# Altium PCB Mixed Signal Board Project_final.PcbDoc (part 2 of 3)
Units mil, origin at the board's own origin, x right, y up, seen from the top; angles counter-clockwise.
Board outline 2764.84 x 2841.08 mil, 4 copper layers (Top Layer, GND, VCC, Bottom Layer), stack 61.614 mil thick; 189 components, 143 nets, 740 pads, 441 vias.
Unrouted connection lines stored in the file: 1.
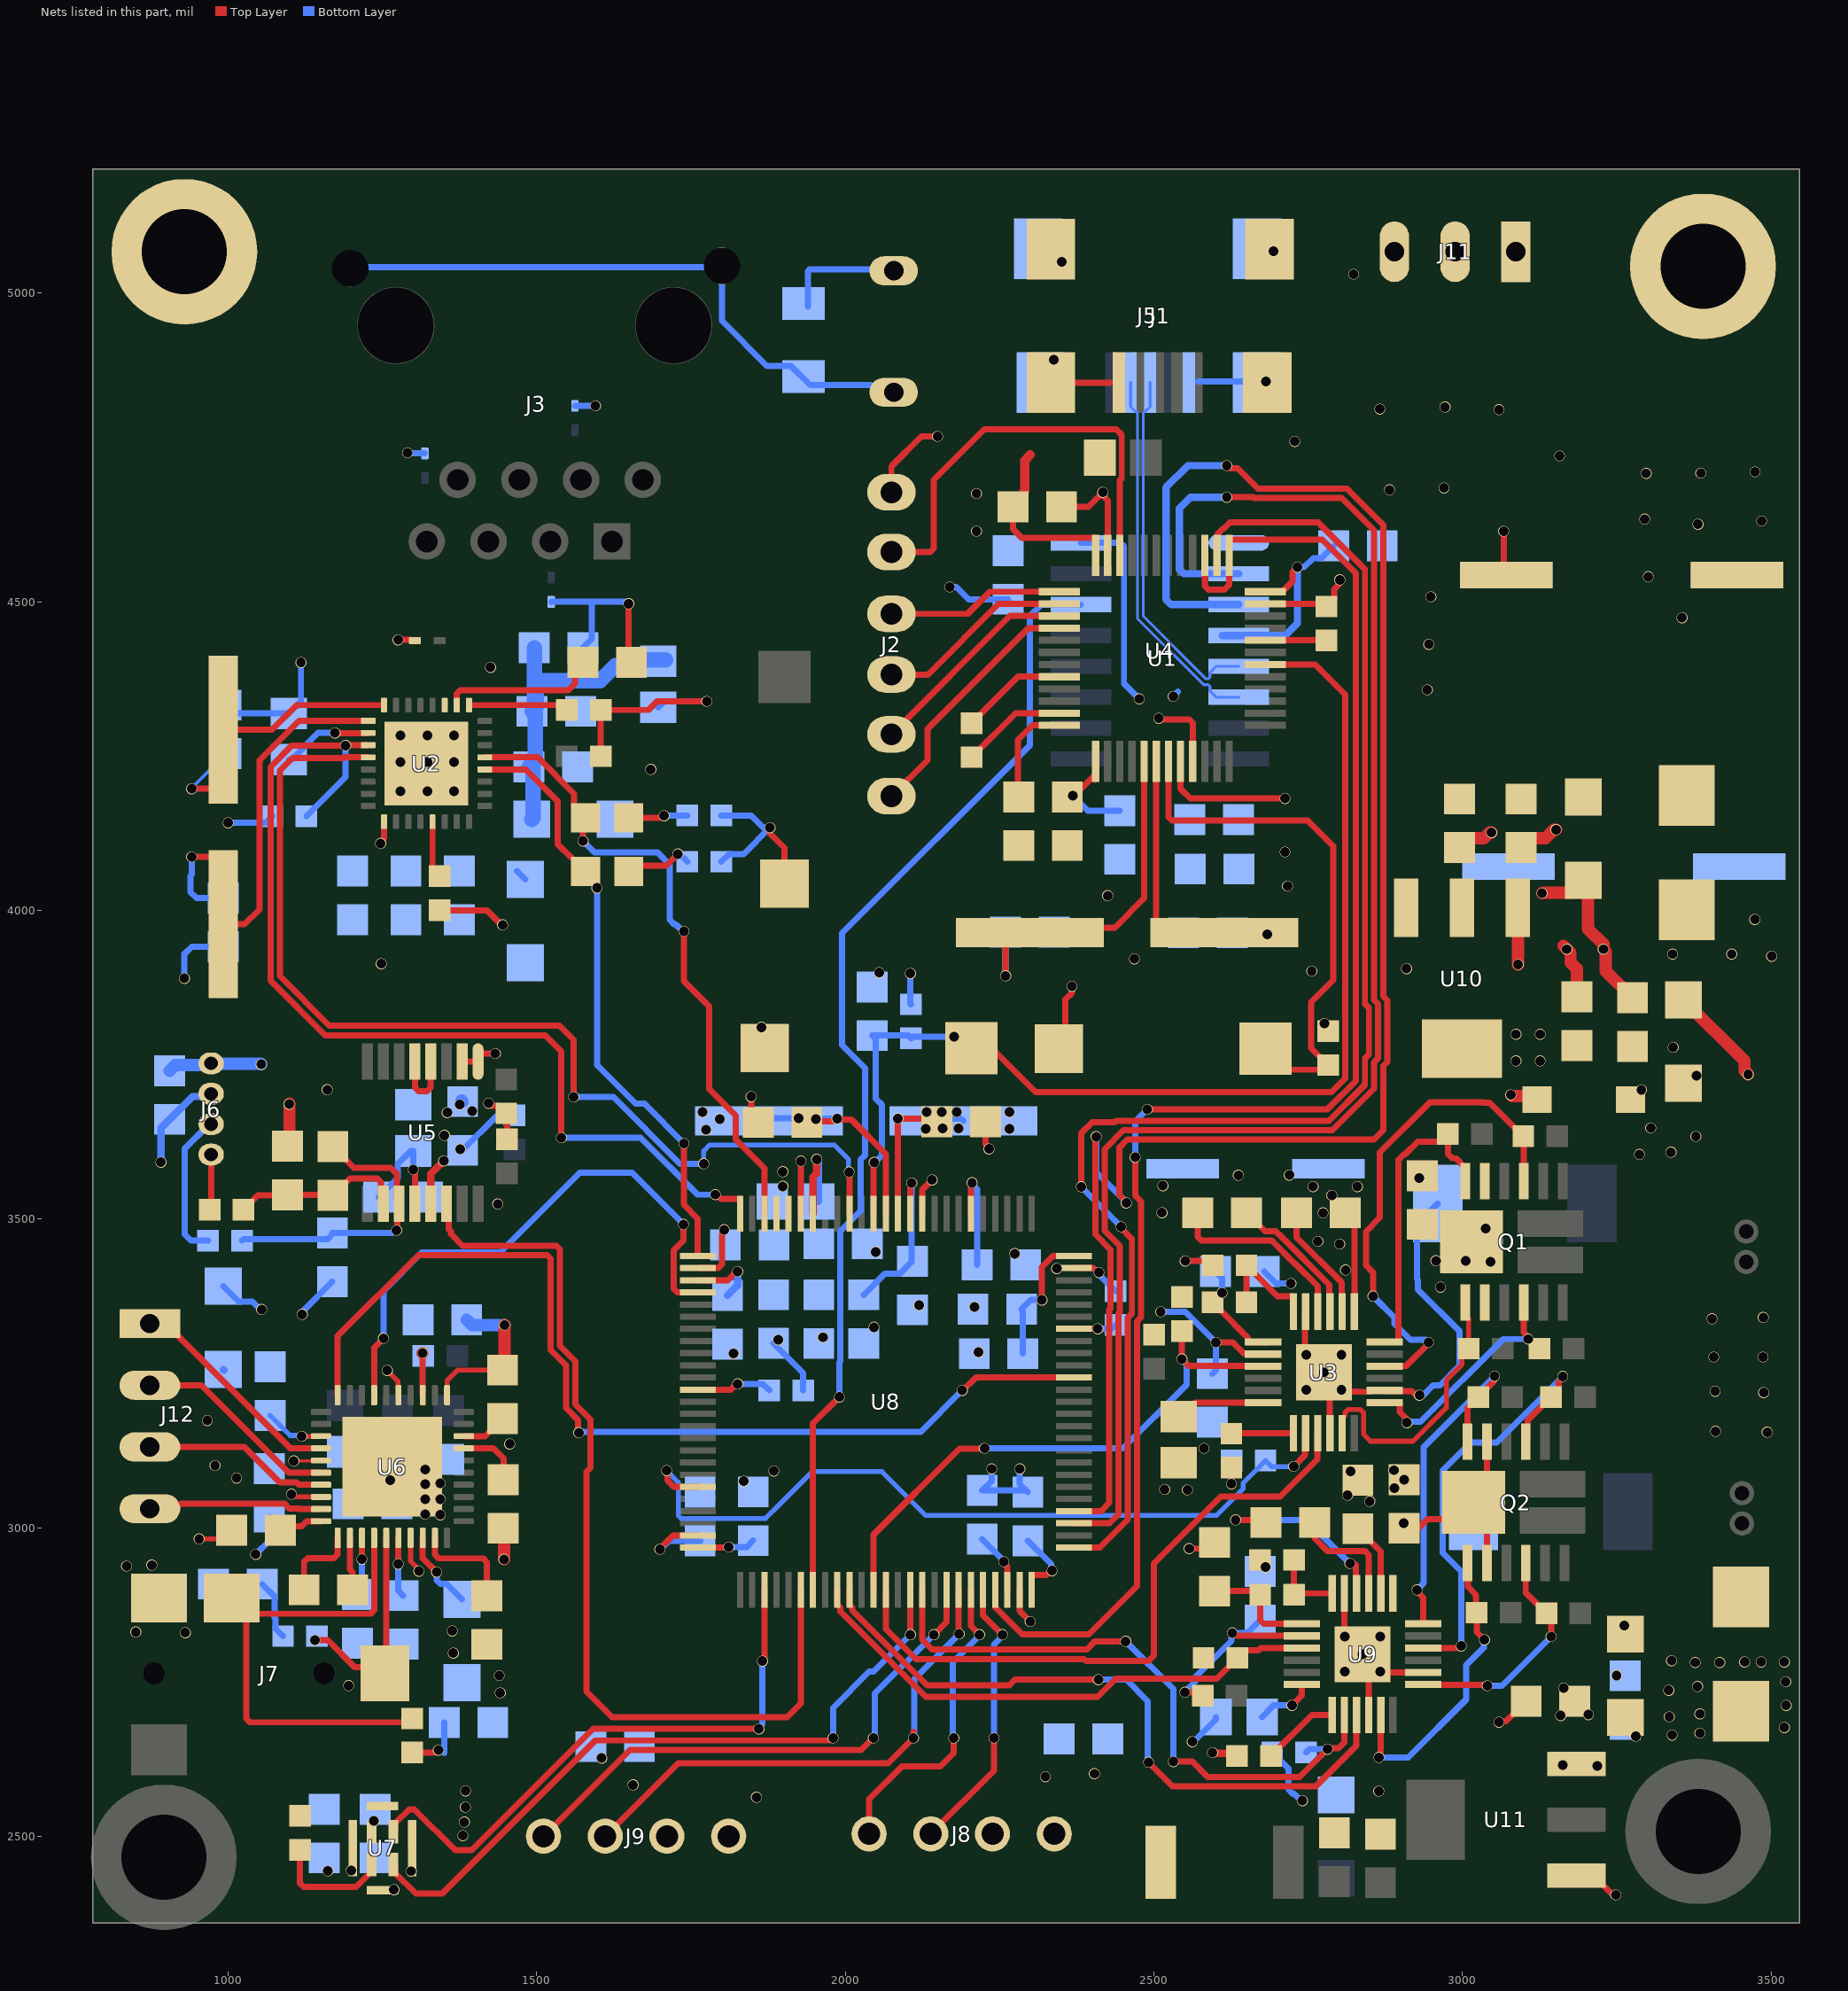
[diagram p4: the nets of this part, all layers, seen from the top]

## Via types
v1: diameter 17.72, hole 15.75, Top Layer to Bottom Layer, 441 vias

## Nets (pads, with @x,y where several pads share a name; then routed paths per layer and width w, separated by ;. In a path a pad name is that pad's centre, name@x,y a point inside that pad or via, vN(x,y) a via of type N, cw(c..) or ccw(c..) an arc to the next point about the centre after c; other vN are vias at no path point) (continued)
+3V3: C1.2 C2.2 C3.2 C4.2 C7.2 C8.2 C9.2 C15.2 C16.2 C17.2 C18.2 C28.2 C30.2 C32.2 C44.1 C45.2 C46.2 C47.2 C48.2 C49.2 C54.2 C55.2 C59.2 C60.2 C61.2 C62.2 C63.2 C64.2 C65.2 C72.2 C82.2 C83.2 C84.2 D6.K FB1.1 FB2.1 FB4.1 J6.3 J8.3 J9.3 R2.2 R3.2 R7.2 R8.2 R9.2 R10.2 R20.1 R25.2 R26.2 R27.2 R30.2 R33.2 R35.2 R44.1 U1.1 U1.9 U1.24 U1.36 U1.48 U2.17 U4.4 U4.16 U5.13 U6.5 U6.8 U6.33 U7.1 U8.6 U8.11 U8.19 U8.28 U8.50 U8.75 U8.100 U10.2 U10.4 | length 3933.5
  Top Layer w3.94: U6.5@1149.77,3109.67 U6.5@1150.65,3108.8 ; U6.8@1150.1,3050.29 U6.8@1150.65,3049.74 ; U6.33@1315.1,3214.82 U6.33@1315.41,3214.51
  Top Layer w5: v1(1106.42,3107.97) 1106.83,3108.38 1148.48,3108.38 U6.5@1149.77,3109.67
  Top Layer w8: v1(1102.75,3054.05) 1105.38,3054.05 1109.69,3049.74 1149.56,3049.74 U6.8@1150.1,3050.29
  Top Layer w10: v1(1247.13,4108.38) 1247.13,4110.47 1252.52,4115.86 U2.17@1252.52,4143.5 ; U6.33@1315.1,3214.82 v1@1315.1,3282.66 ; R8.2@1342.89,4000.12 1419.44,4000.12 1443.18,3976.38 v1(1444.88,3976.38) ; v1(1422.09,3687.48) 1424.18,3687.48 1428.08,3683.58 1438.22,3683.58 R27.2@1450.72,3671.08 ; R25.2@1451.86,3628.86 R27.2@1451.86,3671.08 ; R7.2@1603.92,4249.59 R9.2@1603.92,4324.59 1681.1,4324.59 1695.09,4338.58 v1(1775.59,4338.58) ; U8.50@1761.09,2967.65 1810.52,2967.65 v1(1811.37,2968.5) ; U8.28@1761.09,3400.72 1809.44,3400.72 1823.48,3414.76 v1(1825.57,3414.76) ; U8.11@2105.11,3508.51 2105.11,3553.87 2107.59,3556.35 v1(2107.59,3558.44) ; U8.6@2203.53,3508.51 2203.53,3554.72 2205.44,3556.62 v1(2205.44,3558.71) ; C3.2@2271.65,4653.54 2271.65,4617.43 2285.82,4603.27 2404.61,4603.27 2404.61,4597.29 2405.51,4596.39 U1.36@2405.51,4574.8 ; C2.2@2280.95,4183.72 2279.52,4185.15 2279.52,4276.09 2303.12,4299.69 U1.48@2346.93,4299.69 ; U8.75@2301.96,2899.22 2301.96,2923.26 2325.96,2923.26 2332.78,2930.08 v1(2334.87,2930.08) ; v1(2318.63,3368.7) 2318.63,3422.12 2336.59,3440.09 U8.100@2370.38,3440.09 ; C4.2@2367.7,4187.93 2379.69,4194.23 U1.1@2404.61,4219.14 ; U1.1@2404.61,4211.69 U1.1@2404.61,4219.14 ; U1.1@2404.61,4220.04 U1.1@2404.61,4219.14 ; U1.1@2405.51,4241.1 2405.51,4220.04 U1.1@2404.61,4219.14 ; v1(2507.87,4311.02) 2509.65,4309.25 2557.13,4309.25 2562.99,4303.39 U1.9@2562.99,4241.1 ; v1(2625.62,3070.82) R20.1@2625.62,3097.24 ; U1.24@2680.63,4516.22 2708.19,4516.22 2725.01,4533.05 2725.01,4548.24 v1(2732.67,4555.89)
  Top Layer w12: U5.13@1328.23,3524.68 1328.23,3572.87 v1(1349.45,3594.09) ; U8.19@1947.63,3508.51 1947.63,3567.91 1953.61,3573.9 v1(1953.61,3596.63) ; v1(2595.1,2635.45) 2596.2,2634.35 2630.45,2634.35 R44.1@2634.79,2630.01
  Top Layer w15: C3.2@2271.65,4653.54 2289.15,4671.04 2289.15,4678.19 2290.79,4679.83 2290.79,4728.96 2299.58,4737.75
  Top Layer w20: v1@1315.1,3282.66 v1(1315.41,3282.97)
  Bottom Layer w10: v1(1000,4141.73) 1061.14,4141.73 R10.2@1071.89,4152.48 ; C30.2@1380,3611.26 1435.17,3666.43 1439.76,3666.43 R26.2@1452.26,3678.93 ; C18.2@1468.2,4063.48 C18.2@1481.69,4049.99 ; FB1.1@1696.85,4328.74 1706.69,4338.58 v1(1775.59,4338.58) ; v1(1811.37,2968.5) 1840.33,2968.5 C61.2@1850.78,2978.95 ; C64.2@2029.94,3377.09 2064.43,3411.59 2088.68,3411.59 2107.59,3430.51 v1(2107.59,3558.44) ; v1(2105.55,3897.71) 2105.55,3848.64 R35.2@2106.57,3847.61 ; v1(2205.44,3558.71) 2205.44,3556.62 2213.64,3548.42 C72.2@2213.64,3425.5 ; C62.2@2287.84,3281.83 2287.84,3351.78 C59.2@2285.7,3353.92 2300.49,3368.7 v1(2318.63,3368.7) ; C60.2@2295.84,2978.55 2333.39,2940.99 2333.39,2931.55 v1(2334.87,2930.08) ; v1(2368.72,4185.99) 2393.29,4161.42 C1.2@2444.88,4161.42 ; U4.16@2381.89,4595.27 2445.74,4595.27 2451.59,4589.41 2451.59,4367.3 v1(2476.38,4342.52) ; v1(2531.5,4346.46) 2539.15,4354.11 ; v1(2732.67,4555.89) 2743.49,4555.89 2758.15,4570.55 2771.34,4570.55 C9.2@2791.34,4590.55
  Bottom Layer w12: v1(891.18,3591.82) 891.18,3647.09 C32.2@905.51,3661.41 942.37,3698.27 967.96,3698.27 J6.3@972.44,3702.76 ; C44.1@992.17,3256.09 C44.1@993.12,3255.14 ; C63.2@1809.2,3376.04 1825.57,3392.41 v1(1825.57,3414.76) ; v1(1953.61,3596.63) 1953.61,3595.09 1956.77,3591.93 FB4.1@1956.77,3528.24 ; U4.4@2610.63,4445.28 U4.4@2637.8,4445.28 2712.99,4445.28 2732.67,4464.95 v1(2732.67,4555.89)
  other v1: 1380.41,2500.89 1382.84,2523.03 1236.3,2524.61 1384.39,2547.14 1384.82,2573.59 1656.15,2583.22 2324.22,2596.38 1013.57,3080.28 978.87,3100.61 966.26,3173.48 3286.64,3604.56 3337.78,3608.22 1376.4,3613.11 3378.18,3633.78 1350.39,3635.37 3305.13,3647.48 1160.66,3709.3 3289.91,3709.08 3379.29,3732.44 3086.61,3755.91 3125.98,3755.91 3341.52,3778.09 3086.61,3799.21 3125.98,3799.21 2776.14,3816.78 2212.6,4614.17 2212.6,4675.2
+12V: C22.2 C23.1 C24.2 C73.2 C75.2 C79.1 C80.1 C81.1 D5.A D7.A J11.1 Q1.2 Q1.11 Q1.15 Q2.2 Q2.11 Q2.15 U3.1 U9.1 | length 541.6
  Top Layer w10: C22.2@2810,3510 2825,3495 U3.1@2825,3343.72 ; C75.2@2909.11,2979.29 2943.25,3013.43 2990.48,3013.43 Q2.15@3017.91,3040.87 ; Q1.15@2998.98,3438.27 Q1.15@2998.98,3447.33 ; Q2.11@3039.57,3139.29 3039.57,3062.52 Q2.15@3017.91,3040.87 ; Q2.2@3040.07,2933.16 3039.57,2933.67 Q2.2@3039.57,2942.44 3039.57,3019.21 Q2.15@3017.91,3040.87 ; v1(3045.41,3430.78) Q1.15@3045.41,3432.22
  other v1: 3339.69,2663.85 3384.76,2666.9 3521.49,2676.07 3335.09,2693.63 3384.76,2698.22 3524.54,2711.97 3334.34,2736.42 3380.94,2742.53 3523.78,2750.17 3377.12,2781.49 3416.83,2781.48 3457.31,2782.24 3484.05,2782.24 3521.48,2782.24 3338.92,2784.54 2905.15,3007.15 2849.84,3042.72 2813.88,3052.38 2818.52,3091.44 2964.52,3389.51 2810.67,3417.34 2956.9,3432.41 3005.38,3431.87 2800.99,3459.26 2765.72,3463.61 3037.61,3484.37 2774.13,3509.73 2788.4,3538.27 2757.95,3552.55 2829.78,3552.55 2719.42,3571.1 3500.95,3925.66 3340.49,3929.13 3436.31,3929.13 3473.82,3985.13 3355.9,4474.06 3301.12,4540.44 3381.6,4625.52 3484.72,4630.72 3295.28,4633.86 3297.76,4707.82 3386.19,4708.13 3474.01,4710.27
AIN0: J6.2 R28.2 | length 239.5
  Bottom Layer w10: R28.2@967.5,3465 940,3465 930,3475 930,3614.06 969.49,3653.54 J6.2@972.44,3653.54
AIN1: J6.1 R29.2 | length 90.3
  Top Layer w10: R29.2@970,3515 972.44,3517.44 J6.1@972.44,3604.33
CAN_UART_RX: J8.1 U8.70 | length 504
  Top Layer w10: J8.1@2038.58,2503.94 2038.58,2560.05 2091.99,2613.46 2154.37,2613.46 2175.77,2634.86 v1(2175.77,2659.04) ; U8.70@2203.53,2899.22 2203.53,2840.54 v1(2217.55,2826.52)
  Bottom Layer w10: v1@2174.3,2662.38 2174.3,2781.84 v1@2215.02,2822.56
CAN_UART_TX: J8.2 U8.71 | length 456.4
  Top Layer w10: J8.2@2138.58,2503.94 2240.93,2606.29 v1@2240.93,2658.84 ; U8.71@2223.22,2899.22 2223.22,2857.98 v1(2254.68,2826.52)
  Bottom Layer w10: v1@2240.93,2658.84 2240.93,2810.69 2254.68,2824.43 v1(2254.68,2826.52)
  other v1: 2240.93,2659.04
CH340USB_D_N: J5.2 U4.6 | length 608.9
  Bottom Layer w4.49: J5.2@2462.39,4855.12 2462.39,4815.75 2469.99,4808.16 2470.76,4808.16 2473.39,4805.53 2473.39,4472.68 2580.54,4365.53 2588.2,4365.53 2590.83,4362.9 2590.83,4355.53 2601.08,4345.28 U4.6@2637.8,4345.28
CH340USB_D_P: J5.3 U4.5 | length 593.2
  Bottom Layer w4.49: J5.3@2493.89,4855.12 2493.89,4815.75 2486.29,4808.16 2485.52,4808.16 2482.89,4805.53 2482.89,4476.61 2584.47,4375.02 2588.2,4375.02 2590.83,4377.65 2590.83,4385.02 2601.08,4395.28 U4.5@2637.8,4395.28
CH340USB_RTS: U4.14 U8.57 | length 1844
  Top Layer w10: U8.57@1947.63,2899.22 1947.63,3168.68 v1(1990.4,3211.45)
  Bottom Layer w10: v1(1990.4,3211.45) 1990.4,3267.58 1992.16,3269.35 1992.16,3480.18 2025.22,3513.25 2025.22,3596.6 2031.84,3603.22 2031.84,3744.56 1995.09,3781.31 1995.09,3963.34 2298.78,4267.03 2298.78,4476.38 2317.68,4495.27 U4.14@2381.89,4495.27
CH340USB_RXD: U4.3 U8.79 | length 3025.1
  Top Layer w10: U8.79@2370.38,3026.7 2414.42,3026.7 2427.75,3040.04 2427.75,3314.05 2427.88,3314.17 2427.88,3352.82 2429.88,3354.82 2429.88,3450.13 2405.13,3474.88 2405.13,3629.59 2406.63,3631.09 v1(2406.63,3633.18) ; v1(2455.26,3525.81) 2455.26,3527.86 2443.81,3539.3 2443.81,3615.47 2457.05,3628.7 2857.05,3628.7 2872.04,3643.69 2872.04,3747.75 2878.49,3754.2 2878.49,3854.33 2872.04,3860.79 2872.04,4624.02 2812.83,4683.23 2668.65,4683.23 2635.52,4716.36 2622.22,4716.36 v1(2618.11,4720.47)
  Bottom Layer w10: v1(2406.63,3633.18) 2406.63,3575.84 2455.26,3527.22 v1(2455.26,3525.81)
  Bottom Layer w12: v1(2618.11,4720.47) 2555.12,4720.47 2519.69,4685.04 2519.69,4503.94 2528.35,4495.28 U4.3@2637.8,4495.28
CH340USB_TXD: U4.2 U8.78 | length 2611.8
  Top Layer w10: U8.78@2370.38,3007.02 2428.49,3007.02 2442.75,3021.28 2442.75,3307.83 2442.88,3307.95 2442.88,3346.6 2444.88,3348.61 2444.88,3456.34 2420.13,3481.09 2420.13,3613 2450.83,3643.7 2789.58,3643.7 2857.04,3711.16 2857.04,3753.96 2863.49,3760.42 2863.49,3848.12 2857.04,3854.57 2857.04,4615.4 2804.21,4668.23 2662.44,4668.23 2661.37,4669.29 v1(2618.11,4669.29)
  Bottom Layer w12: v1(2618.11,4669.29) 2559.43,4669.29 2541.52,4651.39 2541.52,4552.3 2548.55,4545.27 U4.2@2637.8,4545.27
CLK_MIC: U7.3 U8.65 | length 1139
  Top Layer w10: U7.3@1267.91,2454.2 1270.78,2451.33 1270.78,2440.5 1304.3,2406.98 1347.08,2406.98 1595.29,2655.19 1974.35,2655.19 1978.21,2659.04 v1(1980.3,2659.04) ; U8.65@2105.11,2899.22 2105.11,2827 v1(2105.59,2826.52)
  Bottom Layer w10: v1(1980.3,2659.04) 1980.3,2708.14 2038.75,2766.59 2045.66,2766.59 v1(2105.59,2826.52)
COL: DS2.A U2.28 U8.26 | length 972.7
  Top Layer w10: U2.28@1415.91,4228.15 1482.61,4228.15 1534.02,4176.74 1534.02,4107.07 1553.9,4087.19 1554.98,4087.19 1574.68,4067.49 DS2.A@1574.8,4067.49 ; DS2.A@1579.17,4063 1597.72,4044.45 v1(1597.72,4036.23) ; v1(1738.58,3622.39) 1738.58,3523.03 1761.09,3500.52 U8.26@1761.09,3440.09
  Bottom Layer w10: v1(1597.72,4036.23) 1597.72,3749.3 1660.44,3686.58 1674.39,3686.58 v1(1738.58,3622.39)
CRS: DS1.A U2.29 U8.23 | length 1042.9
  Top Layer w10: U2.29@1415.91,4247.83 1501.54,4247.83 1560.55,4188.82 1560.55,4168.23 DS1.A@1579.17,4149.61 1575.14,4145.57 v1(1575.14,4112.24) ; v1(1738.57,3966.02) 1738.4,3965.84 1738.4,3885.38 1779.4,3844.38 1779.4,3710.34 1822.43,3667.31 1822.43,3628.81 1868.89,3582.36 U8.23@1868.89,3508.51
  Bottom Layer w10: v1(1575.14,4112.24) 1593.8,4093.58 1695.91,4093.58 1715.8,4073.68 1715.8,3984.52 1723.1,3977.22 1725.28,3977.22 1736.48,3966.02 v1(1738.57,3966.02)
DOUT_MIC: U7.4 U8.53 | length 951.5
  Top Layer w10: U7.4@1267.91,2507.35 1270.78,2510.22 1270.78,2521.05 1293.47,2543.74 1301.76,2543.74 1368.17,2477.33 1394.63,2477.33 1591.35,2674.04 v1(1860.17,2674.04) ; v1(1865.78,2783.77) 1865.78,2785.86 1868.89,2788.97 U8.53@1868.89,2899.22
  Bottom Layer w10: v1(1860.17,2674.04) 1860.17,2676.13 1865.78,2681.74 v1(1865.78,2783.77)
DRDY: U5.14 U8.56 | length 1536.2
  Top Layer w10: U5.14@1353.82,3524.68 1357.68,3520.83 1357.68,3483.32 1360.93,3480.07 1360.93,3475.79 1379.99,3456.73 1531.62,3456.73 1537.48,3450.87 1537.48,3294.31 1562.56,3269.23 1562.56,3199.82 1587.03,3175.35 1587.03,3096.79 1580.74,3090.5 1580.74,2734.21 1622.05,2692.9 1905.91,2692.9 1927.94,2714.94 U8.56@1927.94,2899.22
DVDD: C27.2 R13.2 R14.2 U3.8 | length 247.1
  Top Layer w10: v1(2600.54,3299.94) 2627.7,3299.94 2645.63,3282.01 2676.14,3282.01 U3.8@2677.05,3281.1
  Bottom Layer w10: v1(2511.2,3349.64) 2550.84,3349.64 v1(2600.54,3299.94) 2600.54,3254.91 C27.2@2595,3249.37
DVDD_2: C78.2 R37.2 R38.2 U9.8 | length 327.4
  Top Layer w10: v1(2550.39,2733.21) 2573.88,2733.21 R38.2@2579.16,2727.93 ; v1(2627.12,2829.47) 2629.21,2829.47 2634.1,2824.58 U9.8@2739.78,2824.58
  Bottom Layer w10: v1(2550.39,2733.21) 2550.39,2734.2 2566.76,2750.57 2566.76,2757.65 2625.65,2816.53 2625.65,2827.99 v1(2627.12,2829.47) 2646.39,2829.47 2647.05,2830.12 2652.25,2830.12 C78.2@2672.25,2850.12
EARTH: C21.1 J11.2 MH1.1 MH4.1 R12.1 | length 228.9
  Bottom Layer w10: R12.1@1939.48,4977.72 1939.48,5035.73 1941.95,5038.2 C21.1@2109.3,5038.2
EN: R23.2 U3.14 U8.45 | length 1319.1
  Top Layer w10: v1(1710.5,3092.36) 1711.97,3090.89 1711.97,3075.92 1721.82,3066.07 U8.45@1761.09,3066.07 ; v1(2726.69,3099.02) 2745.04,3117.37 2745.04,3152.09 U3.14@2745.94,3152.99
  Bottom Layer w8: v1(1710.5,3092.36) 1729.39,3073.47 1729.39,3019.65 1734.07,3014.96 1870.69,3014.96 1879.42,3023.69 1879.51,3023.69 1884.78,3028.96 1884.78,3029.05 1946.39,3090.66 2059.44,3090.66 2130.5,3019.61 2601.38,3019.61 2644.48,3062.7 2644.48,3072.07 R23.2@2680.99,3108.59 2690.57,3099.02 v1(2726.69,3099.02)
EN_2: R46.2 U8.66 U9.14 | length 1041.8
  Top Layer w10: U8.66@2124.79,2899.22 2124.79,2818.36 2140.56,2802.6 2391.51,2802.6 2404.82,2815.91 v1(2454.3,2815.91) ; v1(2531.53,2620.81) 2562.24,2620.81 2587.27,2595.78 2736.36,2595.78 2782.98,2642.4 2799.14,2642.4 2808.68,2651.94 U9.14@2808.68,2696.47
  Bottom Layer w10: v1(2454.3,2815.91) 2531.53,2738.68 v1(2531.53,2620.81) ; R46.2@2746.62,2635.82 2751.73,2640.93 v1(2781.5,2640.93)
EXT_UART_RX: J9.2 U8.69 | length 848.3
  Top Layer w10: J9.2@1611.02,2500 1729.05,2618.03 2069.6,2618.03 v1(2110.61,2659.04) 2110.61,2669.01 ; U8.69@2183.85,2899.22 2183.85,2828.63 v1(2184.58,2827.89)
  Bottom Layer w10: v1@2111.46,2656.93 2111.46,2754.78 v1(2184.58,2827.89)
EXT_UART_TX: J9.1 U8.68 | length 864.4
  Top Layer w10: J9.1@1511.02,2500 1650.73,2639.7 2025.62,2639.7 v1@2039.06,2653.14 ; v1(2143.65,2826.52) 2143.83,2826.52 2164.16,2846.86 U8.68@2164.16,2885.73
  Bottom Layer w10: v1@2046.93,2661.66 2048.18,2662.91 2048.18,2731.4 2143.31,2826.52 v1(2143.65,2826.52)
  other v1: 2045.45,2659.04
GH1: Q1.1 R18.1 U3.17 | length 453.1
  Top Layer w8: U3.17@2805,3152.99 2806.91,3154.9 2806.91,3178.52 2809.78,3181.39 2809.78,3186.25 2815.05,3191.52 2834.32,3191.52 2839.59,3186.25 2839.59,3151.58 2850.97,3140.2 ; 2850.97,3140 2919.76,3140 2973.94,3194.18 2973.94,3239.05 2999.34,3264.45 2999.34,3279.34 R18.1@3010,3290 3010,3337.72 3004.8,3342.91 Q1.1@3004.8,3364.57
GH1_2: Q2.1 R42.1 U9.17 | length 494.3
  Top Layer w10: v1(2864.55,2627.77) 2864.55,2629.86 2867.73,2633.05 U9.17@2867.73,2696.47 ; Q2.1@3008.07,2942.44 3008.63,2941.88 3008.63,2904.38 3021.79,2891.22 R42.1@3021.79,2862.3 ; R42.1@3023.16,2862.3 3023.16,2830.69 v1(3035.59,2818.26)
  Bottom Layer w10: v1(2864.55,2627.77) 2912.25,2627.77 3006.37,2721.9 3006.37,2777.63 3034.43,2805.69 3034.43,2817.1 v1(3035.59,2818.26)
GH2: Q1.12 R19.2 U3.24 | length 506
  Top Layer w10: U3.24@2873.9,3300.79 2895.44,3300.79 2896.34,3301.69 2896.34,3595.48 2905.86,3605 2907.36,3605 2927.66,3625.3 2964,3625.3 R19.2@2976.5,3637.8 2976.5,3605.3 2983.57,3598.22 2989.65,3598.22 3004.8,3583.07 Q1.12@3004.8,3561.42
GH2_2: Q2.12 R43.2 U9.24 | length 581.3
  Top Layer w10: v1(2926.38,2899.13) 2926.38,2897.04 2936.63,2886.79 U9.24@2936.63,2844.26 ; Q2.12@3008.07,3139.29 3008.07,3193.94 R43.2@3025.63,3211.51 3050.6,3236.47 3050.6,3243.69 v1(3052.08,3245.17)
  Bottom Layer w10: v1(2926.38,2899.13) 2937.25,2910.01 2937.25,3130.34 v1(3052.08,3245.17)
GL1: Q1.4 R21.2 U3.19 | length 399.8
  Top Layer w10: U3.19@2873.9,3202.36 2897.52,3202.36 2898.43,3201.46 2898.43,3187.39 2910,3175.82 v1(2910,3170) ; Q1.4@3099.29,3364.57 3099.29,3315.71 R21.2@3108,3307 ; v1(3106.43,3305.43) 3121.87,3290 R21.2@3125,3290
  Bottom Layer w10: v1(2910,3170) 2911.44,3171.44 2932.05,3171.44 3066.04,3305.43 v1(3106.43,3305.43)
GL1_2: Q2.4 R45.2 U9.19 | length 377
  Top Layer w10: U9.19@2936.63,2745.84 2937.54,2744.93 3039.02,2744.93 v1(3040.23,2743.73) ; Q2.4@3102.56,2942.44 3102.56,2894.68 R45.2@3136.12,2861.12 3143.7,2853.53 v1(3143.7,2823.37)
  Bottom Layer w10: v1@3040.25,2743.75 3064.08,2743.75 v1(3143.7,2823.37)
GL2: Q1.9 R22.1 U3.22 | length 822.9
  Top Layer w10: v1(2855,3375) 2855,3413.58 2843.6,3424.97 2843.6,3479.46 2866.34,3502.2 2866.34,3607.91 2947.79,3689.36 3031.85,3689.36 3032.91,3688.3 3044.1,3688.3 3065.07,3667.33 3099.29,3633.11 Q1.9@3099.29,3561.42 ; U3.22@2874.8,3262.32 2909.43,3262.32 2945,3297.9 v1(2945,3300)
  Bottom Layer w10: v1(2855,3375) 2889.54,3340.46 2889.54,3330.03 2915.46,3304.11 2940.89,3304.11 v1(2945,3300)
GL2_2: Q2.9 R47.1 U9.22 | length 748.1
  Top Layer w10: U9.22@2936.63,2804.89 2992.6,2804.89 2995.95,2808.24 v1(2998.04,2808.24) ; Q2.9@3102.56,3139.29 3105.43,3142.17 3105.43,3173.82 3130.62,3199.01 3131.08,3199.01 3156.08,3224.01 3156.08,3236.31 3162.58,3242.81 v1(3162.58,3244.89)
  Bottom Layer w10: v1(2998.04,2808.24) 2998.04,2929.1 2967.91,2959.22 2967.91,3092.62 3013.43,3138.14 3055.82,3138.14 v1(3162.58,3244.89)
GND: C1.1 C2.1 C3.1 C4.1 C5.1 C6.1 C7.1 C8.1 C9.1 C10.1 C11.1 C12.1 C13.1 C14.1 C15.1 C16.1 C17.1 C18.1 C19.2 C20.2 C23.2 C24.1 C26.1 C27.1 C28.1 C29.1 C30.1 C32.1 C33.2 C34.2 C35.2 C36.2 C37.1 C38.1 C39.1 C40.1 C41.1 C43.1 C44.2 C45.1 C46.1 C47.1 C48.1 C49.1 C50.2 C51.2 C52.2 C53.1 C54.1 C55.1 C56.1 C57.2 C58.2 C59.1 C60.1 C61.1 C62.1 C63.1 C64.1 C65.1 C66.1 C67.1 C68.1 C69.1 C70.1 C71.1 C72.1 C75.1 C77.1 C78.1 C79.2 C80.2 C81.2 C82.1 C83.1 C84.1 C85.1 C86.1 C87.1 C88.1 C89.1 C90.1 C91.1 C92.1 C93.1 D1.A D2.A D3.A D4.A D6.A D8.A J1.5 J1.6 J2.6 J5.5 J5.6 J6.4 J7.1 J8.4 J9.4 J11.3 R1.1 R4.1 R5.1 R6.1 R11.1 R16.2 R17.1 R23.1 R24.1 R34.1 R36.2 R40.2 R41.1 R46.1 R48.1 SW1.1 SW2.1 SW3.1 U1.8 U1.23 U1.35 U1.47 U2.33 U3.5 U3.16 U3.20 U3.25 U4.1 U5.1 U5.2 U5.4 U5.5 U6.3 U6.17 U6.31 U6.35 U6.41 U7.5 U8.10 U8.20 U8.27 U8.74 U8.99 U9.5 U9.16 U9.20 U9.25 U10.1 U11.1 | length 6548.7